# KiCad board poly_kb_molecule_8x5.kicad_pcb (continued)
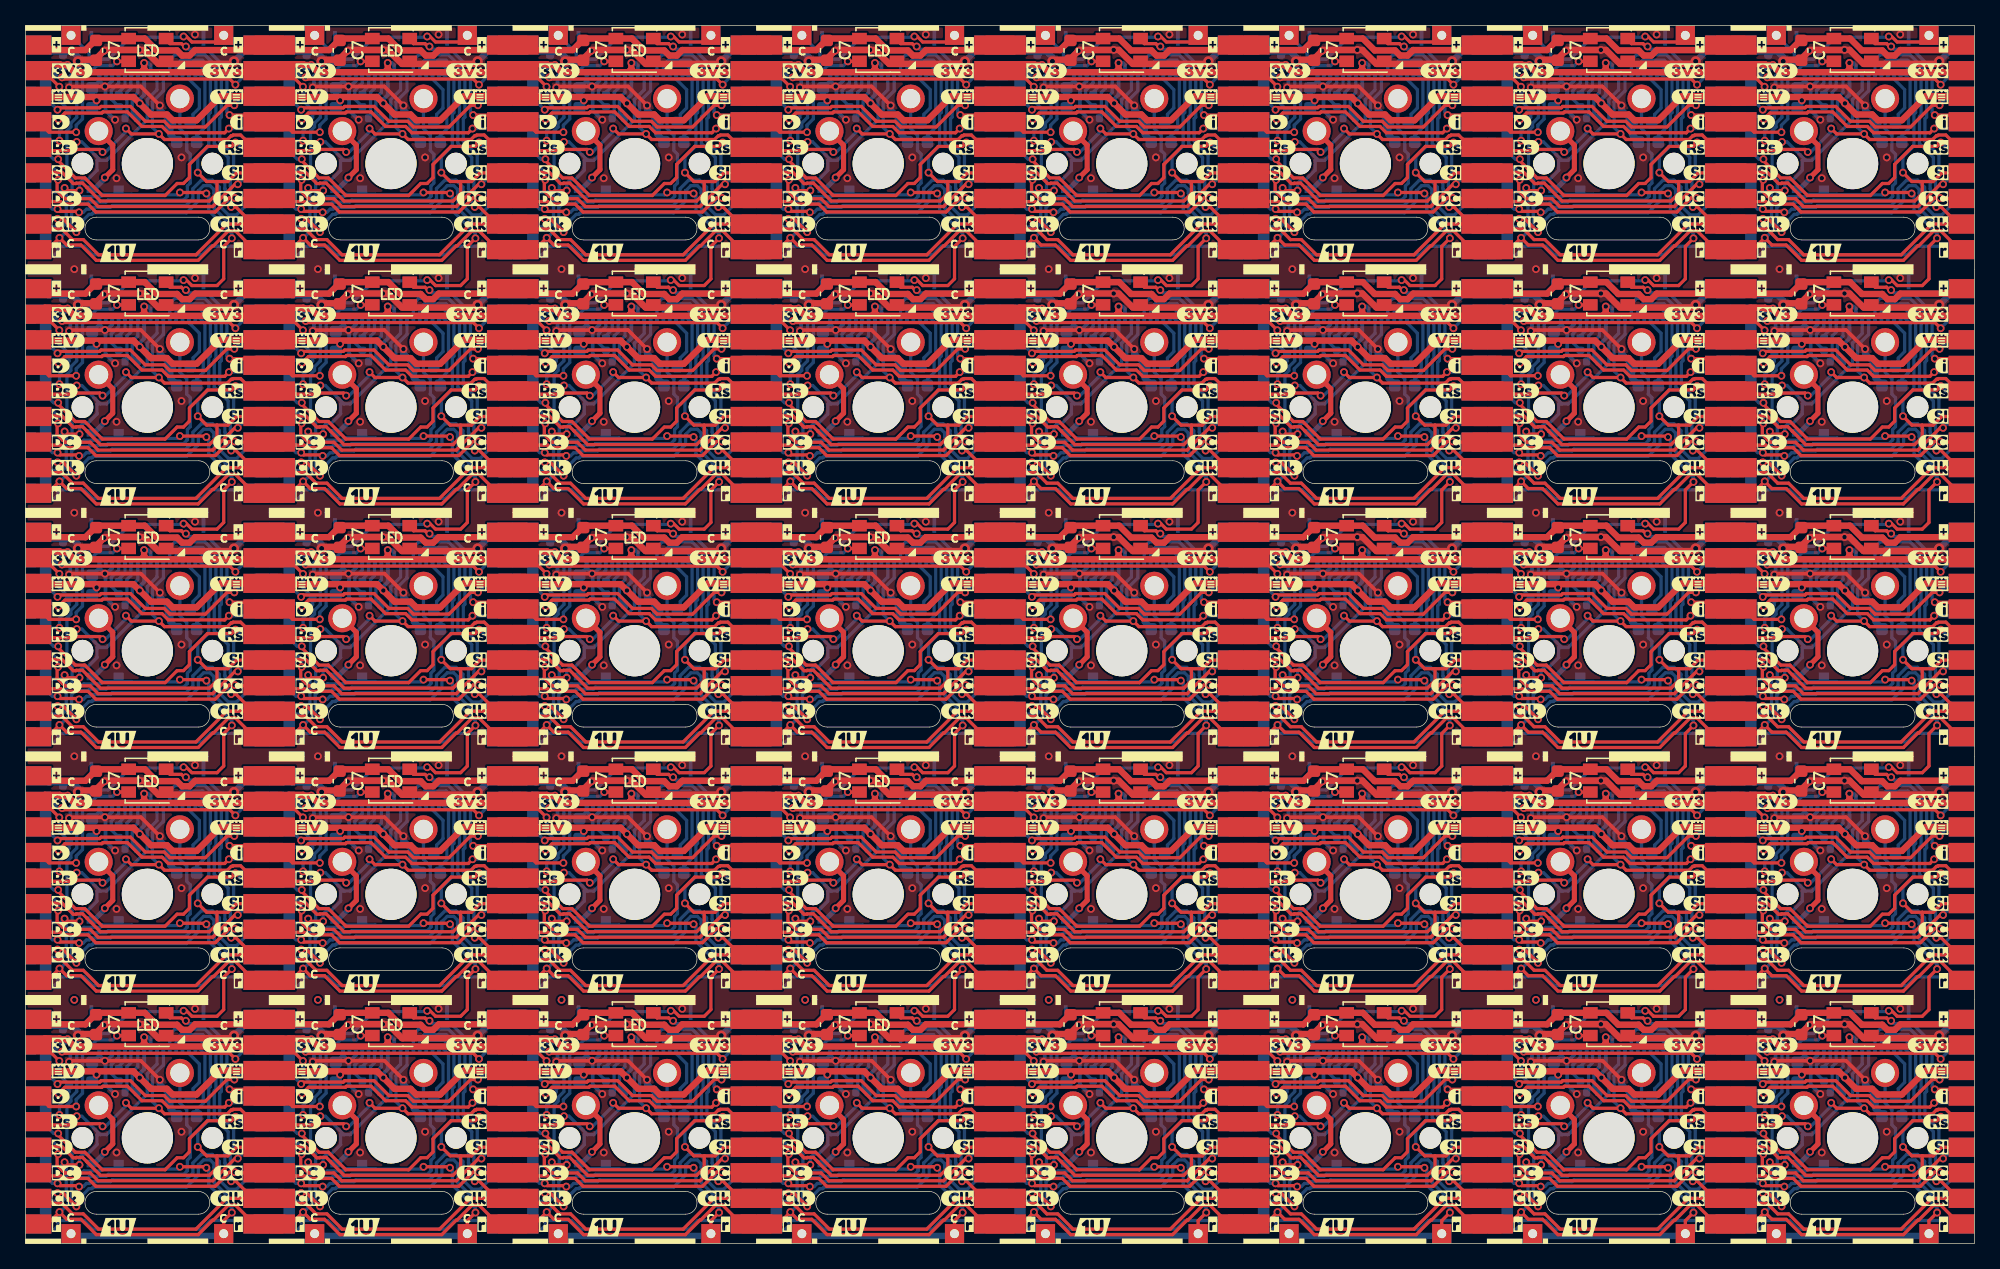
[diagram p0: board, top side]
## Nets (continued)
/Keyboard/sheet605ED2EB/CS: J1.10 J1#2.10 J1#3.10 J1#4.10 J1#5.10 J1#6.10 J1#7.10 J1#8.10 J1#9.10 J1#10.10 J1#11.10 J1#12.10 J1#13.10 J1#14.10 J1#15.10 J1#16.10 J1#17.10 J1#18.10 J1#19.10 J1#20.10 J1#21.10 J1#22.10 J1#23.10 J1#24.10 J1#25.10 J1#26.10 J1#27.10 J1#28.10 J1#29.10 J1#30.10 J1#31.10 J1#32.10 J1#33.10 J1#34.10 J1#35.10 J1#36.10 J1#37.10 J1#38.10 J1#39.10 J1#40.10 J5.10 J5#2.10 J5#3.10 J5#4.10 J5#5.10 J5#6.10 J5#7.10 J5#8.10 J5#9.10 J5#10.10 J5#11.10 J5#12.10 J5#13.10 J5#14.10 J5#15.10 J5#16.10 J5#17.10 J5#18.10 J5#19.10 J5#20.10 J5#21.10 J5#22.10 J5#23.10 J5#24.10 J5#25.10 J5#26.10 J5#27.10 J5#28.10 J5#29.10 J5#30.10 J5#31.10 J5#32.10 J5#33.10 J5#34.10 J5#35.10 J5#36.10 J5#37.10 J5#38.10 J5#39.10 J5#40.10 R1.2 R1#2.2 R1#3.2 R1#4.2 R1#5.2 R1#6.2 R1#7.2 R1#8.2 R1#9.2 R1#10.2 R1#11.2 R1#12.2 R1#13.2 R1#14.2 R1#15.2 R1#16.2 R1#17.2 R1#18.2 R1#19.2 R1#20.2 R1#21.2 R1#22.2 R1#23.2 R1#24.2 R1#25.2 R1#26.2 R1#27.2 R1#28.2 R1#29.2 R1#30.2 R1#31.2 R1#32.2 R1#33.2 R1#34.2 R1#35.2 R1#36.2 R1#37.2 R1#38.2 R1#39.2 R1#40.2
/Keyboard/sheet605ED2EB/D-C: J1.12 J1#2.12 J1#3.12 J1#4.12 J1#5.12 J1#6.12 J1#7.12 J1#8.12 J1#9.12 J1#10.12 J1#11.12 J1#12.12 J1#13.12 J1#14.12 J1#15.12 J1#16.12 J1#17.12 J1#18.12 J1#19.12 J1#20.12 J1#21.12 J1#22.12 J1#23.12 J1#24.12 J1#25.12 J1#26.12 J1#27.12 J1#28.12 J1#29.12 J1#30.12 J1#31.12 J1#32.12 J1#33.12 J1#34.12 J1#35.12 J1#36.12 J1#37.12 J1#38.12 J1#39.12 J1#40.12 J3.7 J3#2.7 J3#3.7 J3#4.7 J3#5.7 J3#6.7 J3#7.7 J3#8.7 J3#9.7 J3#10.7 J3#11.7 J3#12.7 J3#13.7 J3#14.7 J3#15.7 J3#16.7 J3#17.7 J3#18.7 J3#19.7 J3#20.7 J3#21.7 J3#22.7 J3#23.7 J3#24.7 J3#25.7 J3#26.7 J3#27.7 J3#28.7 J3#29.7 J3#30.7 J3#31.7 J3#32.7 J3#33.7 J3#34.7 J3#35.7 J3#36.7 J3#37.7 J3#38.7 J3#39.7 J3#40.7 J4.7 J4#2.7 J4#3.7 J4#4.7 J4#5.7 J4#6.7 J4#7.7 J4#8.7 J4#9.7 J4#10.7 J4#11.7 J4#12.7 J4#13.7 J4#14.7 J4#15.7 J4#16.7 J4#17.7 J4#18.7 J4#19.7 J4#20.7 J4#21.7 J4#22.7 J4#23.7 J4#24.7 J4#25.7 J4#26.7 J4#27.7 J4#28.7 J4#29.7 J4#30.7 J4#31.7 J4#32.7 J4#33.7 J4#34.7 J4#35.7 J4#36.7 J4#37.7 J4#38.7 J4#39.7 J4#40.7
/Keyboard/sheet605ED2EB/KeyCol: D1.1 D1#2.1 D1#3.1 D1#4.1 D1#5.1 D1#6.1 D1#7.1 D1#8.1 D1#9.1 D1#10.1 D1#11.1 D1#12.1 D1#13.1 D1#14.1 D1#15.1 D1#16.1 D1#17.1 D1#18.1 D1#19.1 D1#20.1 D1#21.1 D1#22.1 D1#23.1 D1#24.1 D1#25.1 D1#26.1 D1#27.1 D1#28.1 D1#29.1 D1#30.1 D1#31.1 D1#32.1 D1#33.1 D1#34.1 D1#35.1 D1#36.1 D1#37.1 D1#38.1 D1#39.1 D1#40.1 J2.1 J2#2.1 J2#3.1 J2#4.1 J2#5.1 J2#6.1 J2#7.1 J2#8.1 J7.1 J7#2.1 J7#3.1 J7#4.1 J7#5.1 J7#6.1 J7#7.1 J7#8.1 J8.1 J8#2.1 J8#3.1 J8#4.1 J8#5.1 J8#6.1 J8#7.1 J8#8.1 J9.1 J9#2.1 J9#3.1 J9#4.1 J9#5.1 J9#6.1 J9#7.1 J9#8.1
/Keyboard/sheet605ED2EB/KeyRow: J3.9 J3#2.9 J3#3.9 J3#4.9 J3#5.9 J3#6.9 J3#7.9 J3#8.9 J3#9.9 J3#10.9 J3#11.9 J3#12.9 J3#13.9 J3#14.9 J3#15.9 J3#16.9 J3#17.9 J3#18.9 J3#19.9 J3#20.9 J3#21.9 J3#22.9 J3#23.9 J3#24.9 J3#25.9 J3#26.9 J3#27.9 J3#28.9 J3#29.9 J3#30.9 J3#31.9 J3#32.9 J3#33.9 J3#34.9 J3#35.9 J3#36.9 J3#37.9 J3#38.9 J3#39.9 J3#40.9 J4.9 J4#2.9 J4#3.9 J4#4.9 J4#5.9 J4#6.9 J4#7.9 J4#8.9 J4#9.9 J4#10.9 J4#11.9 J4#12.9 J4#13.9 J4#14.9 J4#15.9 J4#16.9 J4#17.9 J4#18.9 J4#19.9 J4#20.9 J4#21.9 J4#22.9 J4#23.9 J4#24.9 J4#25.9 J4#26.9 J4#27.9 J4#28.9 J4#29.9 J4#30.9 J4#31.9 J4#32.9 J4#33.9 J4#34.9 J4#35.9 J4#36.9 J4#37.9 J4#38.9 J4#39.9 J4#40.9 SW1.1 SW1#2.1 SW1#3.1 SW1#4.1 SW1#5.1 SW1#6.1 SW1#7.1 SW1#8.1 SW1#9.1 SW1#10.1 SW1#11.1 SW1#12.1 SW1#13.1 SW1#14.1 SW1#15.1 SW1#16.1 SW1#17.1 SW1#18.1 SW1#19.1 SW1#20.1 SW1#21.1 SW1#22.1 SW1#23.1 SW1#24.1 SW1#25.1 SW1#26.1 SW1#27.1 SW1#28.1 SW1#29.1 SW1#30.1 SW1#31.1 SW1#32.1 SW1#33.1 SW1#34.1 SW1#35.1 SW1#36.1 SW1#37.1 SW1#38.1 SW1#39.1 SW1#40.1
/Keyboard/sheet605ED2EB/LED_DIN: J3.4 J3#2.4 J3#3.4 J3#4.4 J3#5.4 J3#6.4 J3#7.4 J3#8.4 J3#9.4 J3#10.4 J3#11.4 J3#12.4 J3#13.4 J3#14.4 J3#15.4 J3#16.4 J3#17.4 J3#18.4 J3#19.4 J3#20.4 J3#21.4 J3#22.4 J3#23.4 J3#24.4 J3#25.4 J3#26.4 J3#27.4 J3#28.4 J3#29.4 J3#30.4 J3#31.4 J3#32.4 J3#33.4 J3#34.4 J3#35.4 J3#36.4 J3#37.4 J3#38.4 J3#39.4 J3#40.4 J4.4 J4#2.4 J4#3.4 J4#4.4 J4#5.4 J4#6.4 J4#7.4 J4#8.4 J4#9.4 J4#10.4 J4#11.4 J4#12.4 J4#13.4 J4#14.4 J4#15.4 J4#16.4 J4#17.4 J4#18.4 J4#19.4 J4#20.4 J4#21.4 J4#22.4 J4#23.4 J4#24.4 J4#25.4 J4#26.4 J4#27.4 J4#28.4 J4#29.4 J4#30.4 J4#31.4 J4#32.4 J4#33.4 J4#34.4 J4#35.4 J4#36.4 J4#37.4 J4#38.4 J4#39.4 J4#40.4 LED1.2 LED1.4 LED1#2.2 LED1#2.4 LED1#3.2 LED1#3.4 LED1#4.2 LED1#4.4 LED1#5.2 LED1#5.4 LED1#6.2 LED1#6.4 LED1#7.2 LED1#7.4 LED1#8.2 LED1#8.4 LED1#9.2 LED1#9.4 LED1#10.2 LED1#10.4 LED1#11.2 LED1#11.4 LED1#12.2 LED1#12.4 LED1#13.2 LED1#13.4 LED1#14.2 LED1#14.4 LED1#15.2 LED1#15.4 LED1#16.2 LED1#16.4 LED1#17.2 LED1#17.4 LED1#18.2 LED1#18.4 LED1#19.2 LED1#19.4 LED1#20.2 LED1#20.4 LED1#21.2 LED1#21.4 LED1#22.2 LED1#22.4 LED1#23.2 LED1#23.4 LED1#24.2 LED1#24.4 LED1#25.2 LED1#25.4 LED1#26.2 LED1#26.4 LED1#27.2 LED1#27.4 LED1#28.2 LED1#28.4 LED1#29.2 LED1#29.4 LED1#30.2 LED1#30.4 LED1#31.2 LED1#31.4 LED1#32.2 LED1#32.4 LED1#33.2 LED1#33.4 LED1#34.2 LED1#34.4 LED1#35.2 LED1#35.4 LED1#36.2 LED1#36.4 LED1#37.2 LED1#37.4 LED1#38.2 LED1#38.4 LED1#39.2 LED1#39.4 LED1#40.2 LED1#40.4
/Keyboard/sheet605ED2EB/RESET: J1.11 J1#2.11 J1#3.11 J1#4.11 J1#5.11 J1#6.11 J1#7.11 J1#8.11 J1#9.11 J1#10.11 J1#11.11 J1#12.11 J1#13.11 J1#14.11 J1#15.11 J1#16.11 J1#17.11 J1#18.11 J1#19.11 J1#20.11 J1#21.11 J1#22.11 J1#23.11 J1#24.11 J1#25.11 J1#26.11 J1#27.11 J1#28.11 J1#29.11 J1#30.11 J1#31.11 J1#32.11 J1#33.11 J1#34.11 J1#35.11 J1#36.11 J1#37.11 J1#38.11 J1#39.11 J1#40.11 J3.5 J3#2.5 J3#3.5 J3#4.5 J3#5.5 J3#6.5 J3#7.5 J3#8.5 J3#9.5 J3#10.5 J3#11.5 J3#12.5 J3#13.5 J3#14.5 J3#15.5 J3#16.5 J3#17.5 J3#18.5 J3#19.5 J3#20.5 J3#21.5 J3#22.5 J3#23.5 J3#24.5 J3#25.5 J3#26.5 J3#27.5 J3#28.5 J3#29.5 J3#30.5 J3#31.5 J3#32.5 J3#33.5 J3#34.5 J3#35.5 J3#36.5 J3#37.5 J3#38.5 J3#39.5 J3#40.5 J4.5 J4#2.5 J4#3.5 J4#4.5 J4#5.5 J4#6.5 J4#7.5 J4#8.5 J4#9.5 J4#10.5 J4#11.5 J4#12.5 J4#13.5 J4#14.5 J4#15.5 J4#16.5 J4#17.5 J4#18.5 J4#19.5 J4#20.5 J4#21.5 J4#22.5 J4#23.5 J4#24.5 J4#25.5 J4#26.5 J4#27.5 J4#28.5 J4#29.5 J4#30.5 J4#31.5 J4#32.5 J4#33.5 J4#34.5 J4#35.5 J4#36.5 J4#37.5 J4#38.5 J4#39.5 J4#40.5
/Keyboard/sheet605ED2EB/SCLK: J1.13 J1#2.13 J1#3.13 J1#4.13 J1#5.13 J1#6.13 J1#7.13 J1#8.13 J1#9.13 J1#10.13 J1#11.13 J1#12.13 J1#13.13 J1#14.13 J1#15.13 J1#16.13 J1#17.13 J1#18.13 J1#19.13 J1#20.13 J1#21.13 J1#22.13 J1#23.13 J1#24.13 J1#25.13 J1#26.13 J1#27.13 J1#28.13 J1#29.13 J1#30.13 J1#31.13 J1#32.13 J1#33.13 J1#34.13 J1#35.13 J1#36.13 J1#37.13 J1#38.13 J1#39.13 J1#40.13 J3.8 J3#2.8 J3#3.8 J3#4.8 J3#5.8 J3#6.8 J3#7.8 J3#8.8 J3#9.8 J3#10.8 J3#11.8 J3#12.8 J3#13.8 J3#14.8 J3#15.8 J3#16.8 J3#17.8 J3#18.8 J3#19.8 J3#20.8 J3#21.8 J3#22.8 J3#23.8 J3#24.8 J3#25.8 J3#26.8 J3#27.8 J3#28.8 J3#29.8 J3#30.8 J3#31.8 J3#32.8 J3#33.8 J3#34.8 J3#35.8 J3#36.8 J3#37.8 J3#38.8 J3#39.8 J3#40.8 J4.8 J4#2.8 J4#3.8 J4#4.8 J4#5.8 J4#6.8 J4#7.8 J4#8.8 J4#9.8 J4#10.8 J4#11.8 J4#12.8 J4#13.8 J4#14.8 J4#15.8 J4#16.8 J4#17.8 J4#18.8 J4#19.8 J4#20.8 J4#21.8 J4#22.8 J4#23.8 J4#24.8 J4#25.8 J4#26.8 J4#27.8 J4#28.8 J4#29.8 J4#30.8 J4#31.8 J4#32.8 J4#33.8 J4#34.8 J4#35.8 J4#36.8 J4#37.8 J4#38.8 J4#39.8 J4#40.8
/Keyboard/sheet605ED2EB/SDIN: J1.14 J1#2.14 J1#3.14 J1#4.14 J1#5.14 J1#6.14 J1#7.14 J1#8.14 J1#9.14 J1#10.14 J1#11.14 J1#12.14 J1#13.14 J1#14.14 J1#15.14 J1#16.14 J1#17.14 J1#18.14 J1#19.14 J1#20.14 J1#21.14 J1#22.14 J1#23.14 J1#24.14 J1#25.14 J1#26.14 J1#27.14 J1#28.14 J1#29.14 J1#30.14 J1#31.14 J1#32.14 J1#33.14 J1#34.14 J1#35.14 J1#36.14 J1#37.14 J1#38.14 J1#39.14 J1#40.14 J3.6 J3#2.6 J3#3.6 J3#4.6 J3#5.6 J3#6.6 J3#7.6 J3#8.6 J3#9.6 J3#10.6 J3#11.6 J3#12.6 J3#13.6 J3#14.6 J3#15.6 J3#16.6 J3#17.6 J3#18.6 J3#19.6 J3#20.6 J3#21.6 J3#22.6 J3#23.6 J3#24.6 J3#25.6 J3#26.6 J3#27.6 J3#28.6 J3#29.6 J3#30.6 J3#31.6 J3#32.6 J3#33.6 J3#34.6 J3#35.6 J3#36.6 J3#37.6 J3#38.6 J3#39.6 J3#40.6 J4.6 J4#2.6 J4#3.6 J4#4.6 J4#5.6 J4#6.6 J4#7.6 J4#8.6 J4#9.6 J4#10.6 J4#11.6 J4#12.6 J4#13.6 J4#14.6 J4#15.6 J4#16.6 J4#17.6 J4#18.6 J4#19.6 J4#20.6 J4#21.6 J4#22.6 J4#23.6 J4#24.6 J4#25.6 J4#26.6 J4#27.6 J4#28.6 J4#29.6 J4#30.6 J4#31.6 J4#32.6 J4#33.6 J4#34.6 J4#35.6 J4#36.6 J4#37.6 J4#38.6 J4#39.6 J4#40.6
CS1: J5.2 J5#2.2 J5#3.2 J5#4.2 J5#5.2 J5#6.2 J5#7.2 J5#8.2 J5#9.2 J5#10.2 J5#11.2 J5#12.2 J5#13.2 J5#14.2 J5#15.2 J5#16.2 J5#17.2 J5#18.2 J5#19.2 J5#20.2 J5#21.2 J5#22.2 J5#23.2 J5#24.2 J5#25.2 J5#26.2 J5#27.2 J5#28.2 J5#29.2 J5#30.2 J5#31.2 J5#32.2 J5#33.2 J5#34.2 J5#35.2 J5#36.2 J5#37.2 J5#38.2 J5#39.2 J5#40.2 J6.2 J6#2.2 J6#3.2 J6#4.2 J6#5.2 J6#6.2 J6#7.2 J6#8.2 J6#9.2 J6#10.2 J6#11.2 J6#12.2 J6#13.2 J6#14.2 J6#15.2 J6#16.2 J6#17.2 J6#18.2 J6#19.2 J6#20.2 J6#21.2 J6#22.2 J6#23.2 J6#24.2 J6#25.2 J6#26.2 J6#27.2 J6#28.2 J6#29.2 J6#30.2 J6#31.2 J6#32.2 J6#33.2 J6#34.2 J6#35.2 J6#36.2 J6#37.2 J6#38.2 J6#39.2 J6#40.2
CS2: J5.3 J5#2.3 J5#3.3 J5#4.3 J5#5.3 J5#6.3 J5#7.3 J5#8.3 J5#9.3 J5#10.3 J5#11.3 J5#12.3 J5#13.3 J5#14.3 J5#15.3 J5#16.3 J5#17.3 J5#18.3 J5#19.3 J5#20.3 J5#21.3 J5#22.3 J5#23.3 J5#24.3 J5#25.3 J5#26.3 J5#27.3 J5#28.3 J5#29.3 J5#30.3 J5#31.3 J5#32.3 J5#33.3 J5#34.3 J5#35.3 J5#36.3 J5#37.3 J5#38.3 J5#39.3 J5#40.3 J6.3 J6#2.3 J6#3.3 J6#4.3 J6#5.3 J6#6.3 J6#7.3 J6#8.3 J6#9.3 J6#10.3 J6#11.3 J6#12.3 J6#13.3 J6#14.3 J6#15.3 J6#16.3 J6#17.3 J6#18.3 J6#19.3 J6#20.3 J6#21.3 J6#22.3 J6#23.3 J6#24.3 J6#25.3 J6#26.3 J6#27.3 J6#28.3 J6#29.3 J6#30.3 J6#31.3 J6#32.3 J6#33.3 J6#34.3 J6#35.3 J6#36.3 J6#37.3 J6#38.3 J6#39.3 J6#40.3
CS3: J5.4 J5#2.4 J5#3.4 J5#4.4 J5#5.4 J5#6.4 J5#7.4 J5#8.4 J5#9.4 J5#10.4 J5#11.4 J5#12.4 J5#13.4 J5#14.4 J5#15.4 J5#16.4 J5#17.4 J5#18.4 J5#19.4 J5#20.4 J5#21.4 J5#22.4 J5#23.4 J5#24.4 J5#25.4 J5#26.4 J5#27.4 J5#28.4 J5#29.4 J5#30.4 J5#31.4 J5#32.4 J5#33.4 J5#34.4 J5#35.4 J5#36.4 J5#37.4 J5#38.4 J5#39.4 J5#40.4 J6.4 J6#2.4 J6#3.4 J6#4.4 J6#5.4 J6#6.4 J6#7.4 J6#8.4 J6#9.4 J6#10.4 J6#11.4 J6#12.4 J6#13.4 J6#14.4 J6#15.4 J6#16.4 J6#17.4 J6#18.4 J6#19.4 J6#20.4 J6#21.4 J6#22.4 J6#23.4 J6#24.4 J6#25.4 J6#26.4 J6#27.4 J6#28.4 J6#29.4 J6#30.4 J6#31.4 J6#32.4 J6#33.4 J6#34.4 J6#35.4 J6#36.4 J6#37.4 J6#38.4 J6#39.4 J6#40.4
CS4: J5.5 J5#2.5 J5#3.5 J5#4.5 J5#5.5 J5#6.5 J5#7.5 J5#8.5 J5#9.5 J5#10.5 J5#11.5 J5#12.5 J5#13.5 J5#14.5 J5#15.5 J5#16.5 J5#17.5 J5#18.5 J5#19.5 J5#20.5 J5#21.5 J5#22.5 J5#23.5 J5#24.5 J5#25.5 J5#26.5 J5#27.5 J5#28.5 J5#29.5 J5#30.5 J5#31.5 J5#32.5 J5#33.5 J5#34.5 J5#35.5 J5#36.5 J5#37.5 J5#38.5 J5#39.5 J5#40.5 J6.5 J6#2.5 J6#3.5 J6#4.5 J6#5.5 J6#6.5 J6#7.5 J6#8.5 J6#9.5 J6#10.5 J6#11.5 J6#12.5 J6#13.5 J6#14.5 J6#15.5 J6#16.5 J6#17.5 J6#18.5 J6#19.5 J6#20.5 J6#21.5 J6#22.5 J6#23.5 J6#24.5 J6#25.5 J6#26.5 J6#27.5 J6#28.5 J6#29.5 J6#30.5 J6#31.5 J6#32.5 J6#33.5 J6#34.5 J6#35.5 J6#36.5 J6#37.5 J6#38.5 J6#39.5 J6#40.5
CS5: J5.6 J5#2.6 J5#3.6 J5#4.6 J5#5.6 J5#6.6 J5#7.6 J5#8.6 J5#9.6 J5#10.6 J5#11.6 J5#12.6 J5#13.6 J5#14.6 J5#15.6 J5#16.6 J5#17.6 J5#18.6 J5#19.6 J5#20.6 J5#21.6 J5#22.6 J5#23.6 J5#24.6 J5#25.6 J5#26.6 J5#27.6 J5#28.6 J5#29.6 J5#30.6 J5#31.6 J5#32.6 J5#33.6 J5#34.6 J5#35.6 J5#36.6 J5#37.6 J5#38.6 J5#39.6 J5#40.6 J6.6 J6#2.6 J6#3.6 J6#4.6 J6#5.6 J6#6.6 J6#7.6 J6#8.6 J6#9.6 J6#10.6 J6#11.6 J6#12.6 J6#13.6 J6#14.6 J6#15.6 J6#16.6 J6#17.6 J6#18.6 J6#19.6 J6#20.6 J6#21.6 J6#22.6 J6#23.6 J6#24.6 J6#25.6 J6#26.6 J6#27.6 J6#28.6 J6#29.6 J6#30.6 J6#31.6 J6#32.6 J6#33.6 J6#34.6 J6#35.6 J6#36.6 J6#37.6 J6#38.6 J6#39.6 J6#40.6
CS6: J5.7 J5#2.7 J5#3.7 J5#4.7 J5#5.7 J5#6.7 J5#7.7 J5#8.7 J5#9.7 J5#10.7 J5#11.7 J5#12.7 J5#13.7 J5#14.7 J5#15.7 J5#16.7 J5#17.7 J5#18.7 J5#19.7 J5#20.7 J5#21.7 J5#22.7 J5#23.7 J5#24.7 J5#25.7 J5#26.7 J5#27.7 J5#28.7 J5#29.7 J5#30.7 J5#31.7 J5#32.7 J5#33.7 J5#34.7 J5#35.7 J5#36.7 J5#37.7 J5#38.7 J5#39.7 J5#40.7 J6.7 J6#2.7 J6#3.7 J6#4.7 J6#5.7 J6#6.7 J6#7.7 J6#8.7 J6#9.7 J6#10.7 J6#11.7 J6#12.7 J6#13.7 J6#14.7 J6#15.7 J6#16.7 J6#17.7 J6#18.7 J6#19.7 J6#20.7 J6#21.7 J6#22.7 J6#23.7 J6#24.7 J6#25.7 J6#26.7 J6#27.7 J6#28.7 J6#29.7 J6#30.7 J6#31.7 J6#32.7 J6#33.7 J6#34.7 J6#35.7 J6#36.7 J6#37.7 J6#38.7 J6#39.7 J6#40.7
CS7: J5.8 J5#2.8 J5#3.8 J5#4.8 J5#5.8 J5#6.8 J5#7.8 J5#8.8 J5#9.8 J5#10.8 J5#11.8 J5#12.8 J5#13.8 J5#14.8 J5#15.8 J5#16.8 J5#17.8 J5#18.8 J5#19.8 J5#20.8 J5#21.8 J5#22.8 J5#23.8 J5#24.8 J5#25.8 J5#26.8 J5#27.8 J5#28.8 J5#29.8 J5#30.8 J5#31.8 J5#32.8 J5#33.8 J5#34.8 J5#35.8 J5#36.8 J5#37.8 J5#38.8 J5#39.8 J5#40.8 J6.8 J6#2.8 J6#3.8 J6#4.8 J6#5.8 J6#6.8 J6#7.8 J6#8.8 J6#9.8 J6#10.8 J6#11.8 J6#12.8 J6#13.8 J6#14.8 J6#15.8 J6#16.8 J6#17.8 J6#18.8 J6#19.8 J6#20.8 J6#21.8 J6#22.8 J6#23.8 J6#24.8 J6#25.8 J6#26.8 J6#27.8 J6#28.8 J6#29.8 J6#30.8 J6#31.8 J6#32.8 J6#33.8 J6#34.8 J6#35.8 J6#36.8 J6#37.8 J6#38.8 J6#39.8 J6#40.8
CS8: J5.9 J5#2.9 J5#3.9 J5#4.9 J5#5.9 J5#6.9 J5#7.9 J5#8.9 J5#9.9 J5#10.9 J5#11.9 J5#12.9 J5#13.9 J5#14.9 J5#15.9 J5#16.9 J5#17.9 J5#18.9 J5#19.9 J5#20.9 J5#21.9 J5#22.9 J5#23.9 J5#24.9 J5#25.9 J5#26.9 J5#27.9 J5#28.9 J5#29.9 J5#30.9 J5#31.9 J5#32.9 J5#33.9 J5#34.9 J5#35.9 J5#36.9 J5#37.9 J5#38.9 J5#39.9 J5#40.9 J6.9 J6#2.9 J6#3.9 J6#4.9 J6#5.9 J6#6.9 J6#7.9 J6#8.9 J6#9.9 J6#10.9 J6#11.9 J6#12.9 J6#13.9 J6#14.9 J6#15.9 J6#16.9 J6#17.9 J6#18.9 J6#19.9 J6#20.9 J6#21.9 J6#22.9 J6#23.9 J6#24.9 J6#25.9 J6#26.9 J6#27.9 J6#28.9 J6#29.9 J6#30.9 J6#31.9 J6#32.9 J6#33.9 J6#34.9 J6#35.9 J6#36.9 J6#37.9 J6#38.9 J6#39.9 J6#40.9
Net-(C1-Pad1): C1.1 C1#2.1 C1#3.1 C1#4.1 C1#5.1 C1#6.1 C1#7.1 C1#8.1 C1#9.1 C1#10.1 C1#11.1 C1#12.1 C1#13.1 C1#14.1 C1#15.1 C1#16.1 C1#17.1 C1#18.1 C1#19.1 C1#20.1 C1#21.1 C1#22.1 C1#23.1 C1#24.1 C1#25.1 C1#26.1 C1#27.1 C1#28.1 C1#29.1 C1#30.1 C1#31.1 C1#32.1 C1#33.1 C1#34.1 C1#35.1 C1#36.1 C1#37.1 C1#38.1 C1#39.1 C1#40.1 J1.16 J1#2.16 J1#3.16 J1#4.16 J1#5.16 J1#6.16 J1#7.16 J1#8.16 J1#9.16 J1#10.16 J1#11.16 J1#12.16 J1#13.16 J1#14.16 J1#15.16 J1#16.16 J1#17.16 J1#18.16 J1#19.16 J1#20.16 J1#21.16 J1#22.16 J1#23.16 J1#24.16 J1#25.16 J1#26.16 J1#27.16 J1#28.16 J1#29.16 J1#30.16 J1#31.16 J1#32.16 J1#33.16 J1#34.16 J1#35.16 J1#36.16 J1#37.16 J1#38.16 J1#39.16 J1#40.16
Net-(C4-Pad1): C4.1 C4#2.1 C4#3.1 C4#4.1 C4#5.1 C4#6.1 C4#7.1 C4#8.1 C4#9.1 C4#10.1 C4#11.1 C4#12.1 C4#13.1 C4#14.1 C4#15.1 C4#16.1 C4#17.1 C4#18.1 C4#19.1 C4#20.1 C4#21.1 C4#22.1 C4#23.1 C4#24.1 C4#25.1 C4#26.1 C4#27.1 C4#28.1 C4#29.1 C4#30.1 C4#31.1 C4#32.1 C4#33.1 C4#34.1 C4#35.1 C4#36.1 C4#37.1 C4#38.1 C4#39.1 C4#40.1 J1.15 J1#2.15 J1#3.15 J1#4.15 J1#5.15 J1#6.15 J1#7.15 J1#8.15 J1#9.15 J1#10.15 J1#11.15 J1#12.15 J1#13.15 J1#14.15 J1#15.15 J1#16.15 J1#17.15 J1#18.15 J1#19.15 J1#20.15 J1#21.15 J1#22.15 J1#23.15 J1#24.15 J1#25.15 J1#26.15 J1#27.15 J1#28.15 J1#29.15 J1#30.15 J1#31.15 J1#32.15 J1#33.15 J1#34.15 J1#35.15 J1#36.15 J1#37.15 J1#38.15 J1#39.15 J1#40.15
Net-(C5-Pad1): C5.1 C5#2.1 C5#3.1 C5#4.1 C5#5.1 C5#6.1 C5#7.1 C5#8.1 C5#9.1 C5#10.1 C5#11.1 C5#12.1 C5#13.1 C5#14.1 C5#15.1 C5#16.1 C5#17.1 C5#18.1 C5#19.1 C5#20.1 C5#21.1 C5#22.1 C5#23.1 C5#24.1 C5#25.1 C5#26.1 C5#27.1 C5#28.1 C5#29.1 C5#30.1 C5#31.1 C5#32.1 C5#33.1 C5#34.1 C5#35.1 C5#36.1 C5#37.1 C5#38.1 C5#39.1 C5#40.1 J1.4 J1#2.4 J1#3.4 J1#4.4 J1#5.4 J1#6.4 J1#7.4 J1#8.4 J1#9.4 J1#10.4 J1#11.4 J1#12.4 J1#13.4 J1#14.4 J1#15.4 J1#16.4 J1#17.4 J1#18.4 J1#19.4 J1#20.4 J1#21.4 J1#22.4 J1#23.4 J1#24.4 J1#25.4 J1#26.4 J1#27.4 J1#28.4 J1#29.4 J1#30.4 J1#31.4 J1#32.4 J1#33.4 J1#34.4 J1#35.4 J1#36.4 J1#37.4 J1#38.4 J1#39.4 J1#40.4
Net-(C5-Pad2): C5.2 C5#2.2 C5#3.2 C5#4.2 C5#5.2 C5#6.2 C5#7.2 C5#8.2 C5#9.2 C5#10.2 C5#11.2 C5#12.2 C5#13.2 C5#14.2 C5#15.2 C5#16.2 C5#17.2 C5#18.2 C5#19.2 C5#20.2 C5#21.2 C5#22.2 C5#23.2 C5#24.2 C5#25.2 C5#26.2 C5#27.2 C5#28.2 C5#29.2 C5#30.2 C5#31.2 C5#32.2 C5#33.2 C5#34.2 C5#35.2 C5#36.2 C5#37.2 C5#38.2 C5#39.2 C5#40.2 J1.5 J1#2.5 J1#3.5 J1#4.5 J1#5.5 J1#6.5 J1#7.5 J1#8.5 J1#9.5 J1#10.5 J1#11.5 J1#12.5 J1#13.5 J1#14.5 J1#15.5 J1#16.5 J1#17.5 J1#18.5 J1#19.5 J1#20.5 J1#21.5 J1#22.5 J1#23.5 J1#24.5 J1#25.5 J1#26.5 J1#27.5 J1#28.5 J1#29.5 J1#30.5 J1#31.5 J1#32.5 J1#33.5 J1#34.5 J1#35.5 J1#36.5 J1#37.5 J1#38.5 J1#39.5 J1#40.5
Net-(C6-Pad1): C6.1 C6#2.1 C6#3.1 C6#4.1 C6#5.1 C6#6.1 C6#7.1 C6#8.1 C6#9.1 C6#10.1 C6#11.1 C6#12.1 C6#13.1 C6#14.1 C6#15.1 C6#16.1 C6#17.1 C6#18.1 C6#19.1 C6#20.1 C6#21.1 C6#22.1 C6#23.1 C6#24.1 C6#25.1 C6#26.1 C6#27.1 C6#28.1 C6#29.1 C6#30.1 C6#31.1 C6#32.1 C6#33.1 C6#34.1 C6#35.1 C6#36.1 C6#37.1 C6#38.1 C6#39.1 C6#40.1 J1.6 J1#2.6 J1#3.6 J1#4.6 J1#5.6 J1#6.6 J1#7.6 J1#8.6 J1#9.6 J1#10.6 J1#11.6 J1#12.6 J1#13.6 J1#14.6 J1#15.6 J1#16.6 J1#17.6 J1#18.6 J1#19.6 J1#20.6 J1#21.6 J1#22.6 J1#23.6 J1#24.6 J1#25.6 J1#26.6 J1#27.6 J1#28.6 J1#29.6 J1#30.6 J1#31.6 J1#32.6 J1#33.6 J1#34.6 J1#35.6 J1#36.6 J1#37.6 J1#38.6 J1#39.6 J1#40.6
Net-(C6-Pad2): C6.2 C6#2.2 C6#3.2 C6#4.2 C6#5.2 C6#6.2 C6#7.2 C6#8.2 C6#9.2 C6#10.2 C6#11.2 C6#12.2 C6#13.2 C6#14.2 C6#15.2 C6#16.2 C6#17.2 C6#18.2 C6#19.2 C6#20.2 C6#21.2 C6#22.2 C6#23.2 C6#24.2 C6#25.2 C6#26.2 C6#27.2 C6#28.2 C6#29.2 C6#30.2 C6#31.2 C6#32.2 C6#33.2 C6#34.2 C6#35.2 C6#36.2 C6#37.2 C6#38.2 C6#39.2 C6#40.2 J1.7 J1#2.7 J1#3.7 J1#4.7 J1#5.7 J1#6.7 J1#7.7 J1#8.7 J1#9.7 J1#10.7 J1#11.7 J1#12.7 J1#13.7 J1#14.7 J1#15.7 J1#16.7 J1#17.7 J1#18.7 J1#19.7 J1#20.7 J1#21.7 J1#22.7 J1#23.7 J1#24.7 J1#25.7 J1#26.7 J1#27.7 J1#28.7 J1#29.7 J1#30.7 J1#31.7 J1#32.7 J1#33.7 J1#34.7 J1#35.7 J1#36.7 J1#37.7 J1#38.7 J1#39.7 J1#40.7
Net-(D1-Pad2): D1.2 D1#2.2 D1#3.2 D1#4.2 D1#5.2 D1#6.2 D1#7.2 D1#8.2 D1#9.2 D1#10.2 D1#11.2 D1#12.2 D1#13.2 D1#14.2 D1#15.2 D1#16.2 D1#17.2 D1#18.2 D1#19.2 D1#20.2 D1#21.2 D1#22.2 D1#23.2 D1#24.2 D1#25.2 D1#26.2 D1#27.2 D1#28.2 D1#29.2 D1#30.2 D1#31.2 D1#32.2 D1#33.2 D1#34.2 D1#35.2 D1#36.2 D1#37.2 D1#38.2 D1#39.2 D1#40.2 SW1.2 SW1#2.2 SW1#3.2 SW1#4.2 SW1#5.2 SW1#6.2 SW1#7.2 SW1#8.2 SW1#9.2 SW1#10.2 SW1#11.2 SW1#12.2 SW1#13.2 SW1#14.2 SW1#15.2 SW1#16.2 SW1#17.2 SW1#18.2 SW1#19.2 SW1#20.2 SW1#21.2 SW1#22.2 SW1#23.2 SW1#24.2 SW1#25.2 SW1#26.2 SW1#27.2 SW1#28.2 SW1#29.2 SW1#30.2 SW1#31.2 SW1#32.2 SW1#33.2 SW1#34.2 SW1#35.2 SW1#36.2 SW1#37.2 SW1#38.2 SW1#39.2 SW1#40.2

Pads without a net: J1 0 2; J1#2 0 2; J1#3 0 2; J1#4 0 2; J1#5 0 2; J1#6 0 2; J1#7 0 2; J1#8 0 2; J1#9 0 2; J1#10 0 2; J1#11 0 2; J1#12 0 2; J1#13 0 2; J1#14 0 2; J1#15 0 2; J1#16 0 2; J1#17 0 2; J1#18 0 2; J1#19 0 2; J1#20 0 2; J1#21 0 2; J1#22 0 2; J1#23 0 2; J1#24 0 2; J1#25 0 2; J1#26 0 2; J1#27 0 2; J1#28 0 2; J1#29 0 2; J1#30 0 2; J1#31 0 2; J1#32 0 2; J1#33 0 2; J1#34 0 2; J1#35 0 2; J1#36 0 2; J1#37 0 2; J1#38 0 2; J1#39 0 2; J1#40 0 2

## Via types
v1: diameter 0.61, hole 0.356, Top to Bottom, 1952 vias
v2: diameter 0.8, hole 0.4, Top to Bottom, 80 vias

## Routing (per net, layer and track width the routed paths; a pad name or vN(x,y) marks a point on that pad's centre or on a via; arc(x,y) is an arc through that point)
/Keyboard/sheet605ED2EB/3V3: length 1078.7
  Top w0.25: v1(97.89,71.42) 96.63,72.67 J3#37.2 ; J3#17.2 1.38,72.67 v1(2.64,71.42) ; v1(59.79,33.32) 58.53,34.58 J3#39.2 ; v1(135.99,14.27) 134.73,15.53 J3#33.2 ; v1(2.64,90.47) 1.38,91.72 J3.2 ; J3#25.2 20.43,15.53 v1(21.69,14.27) ; v1(21.69,33.32) 20.43,34.58 J3#14.2 ; J3#21.2 96.63,34.58 v1(97.89,33.32) ; v1(40.74,14.27) 39.48,15.53 J3#5.2 ; J3#38.2 39.48,91.72 v1(40.74,90.47) ; J3#35.2 134.73,53.62 v1(135.99,52.37) ; v1(40.74,52.37) 39.48,53.62 J3#11.2 ; J3#10.2 58.53,72.67 v1(59.79,71.42) ; J3#34.2 96.63,15.53 v1(97.89,14.27) ; J3#24.2 115.68,34.58 v1(116.94,33.32) ; v1(59.79,90.47) 58.53,91.72 J3#22.2 ; J3#32.2 115.68,91.72 v1(116.94,90.47) ; v1(40.74,33.32) 39.48,34.58 J3#30.2 ; J3#23.2 58.53,53.62 v1(59.79,52.37) ; J3#6.2 134.73,34.58 v1(135.99,33.32) ; J3#4.2 115.68,53.62 v1(116.94,52.37) ; J3#26.2 134.73,91.72 v1(135.99,90.47) ; v1(21.69,90.47) 20.43,91.72 J3#19.2 ; v1(78.84,90.47) 77.58,91.72 J3#18.2 ; v1(78.84,14.27) 77.58,15.53 J3#8.2 ; v1(97.89,52.37) 96.63,53.62 J3#28.2 ; J3#40.2 77.58,53.62 v1(78.84,52.37) ; J3#29.2 1.38,34.58 v1(2.64,33.32) ; J3#7.2 77.58,34.58 v1(78.84,33.32) ; v1(135.99,71.42) 134.73,72.67 J3#20.2 ; J3#15.2 1.38,15.53 v1(2.64,14.27) ; J3#36.2 96.63,91.72 v1(97.89,90.47) ; v1(21.69,71.42) 20.43,72.67 J3#16.2 ; J3#27.2 58.53,15.53 v1(59.79,14.27) ; J3#3.2 20.43,53.62 v1(21.69,52.37) ; J3#12.2 115.68,15.53 v1(116.94,14.27) ; J3#13.2 77.58,72.67 v1(78.84,71.42) ; J3#31.2 39.48,72.67 v1(40.74,71.42) ; v1(116.94,71.42) 115.68,72.67 J3#2.2 ; J3#9.2 1.38,53.62 v1(2.64,52.37)
  Top w0.3: 1.51,73.17 J3#17.2 ; 58.66,73.17 J3#10.2 ; 20.56,35.07 J3#14.2 ; 1.51,54.12 J3#9.2 ; 115.81,92.22 J3#32.2 ; 20.56,54.12 J3#3.2 ; 1.51,35.07 J3#29.2 ; 39.61,35.07 J3#30.2 ; 134.86,73.17 J3#20.2 ; 39.61,73.17 J3#31.2 ; 77.71,92.22 J3#18.2 ; 1.51,16.02 J3#15.2 ; 115.81,54.12 J3#4.2 ; 20.56,92.22 J3#19.2 ; 58.66,54.12 J3#23.2 ; 115.81,35.07 J3#24.2 ; 96.76,16.02 J3#34.2 ; 58.66,16.02 J3#27.2 ; 39.61,16.02 J3#5.2 ; 58.66,92.22 J3#22.2 ; 20.56,16.02 J3#25.2 ; 77.71,35.07 J3#7.2 ; 77.71,73.17 J3#13.2 ; 39.61,54.12 J3#11.2 ; 134.86,54.12 J3#35.2 ; 115.81,73.17 J3#2.2 ; 1.51,92.22 J3.2 ; 96.76,35.07 J3#21.2 ; 96.76,54.12 J3#28.2 ; 134.86,35.07 J3#6.2 ; 96.76,92.22 J3#36.2 ; 39.61,92.22 J3#38.2 ; 58.66,35.07 J3#39.2 ; 134.86,16.02 J3#33.2 ; 77.71,16.02 J3#8.2 ; 77.71,54.12 J3#40.2 ; 115.81,16.02 J3#12.2 ; 20.56,73.17 J3#16.2 ; 134.86,92.22 J3#26.2 ; 96.76,73.17 J3#37.2
  Top w0.5: J3#12.2 115.82,16.03 116.97,16.03 117.02,15.97 v1(117.59,15.97) 117.59,15.93 118.11,15.4 132.21,15.4 J4#6.2 ; J4#30.2 94.11,72.55 80.01,72.55 79.49,73.08 v1(79.49,73.12) 78.92,73.12 78.87,73.18 77.72,73.18 J3#13.2 ; 104.38,34.53 104.67,34.53 104.52,34.67 ; 104.38,34.53 104.33,34.48 ; 104.38,34.53 104.52,34.67 ; 1.27,72.67 1.47,72.87 ; v1(85.47,35.18) 85.47,34.67 ; 85.47,34.67 85.33,34.53 ; 85.47,34.67 85.62,34.53 85.33,34.53 ; 123.57,34.67 123.43,34.53 ; 123.57,34.67 v1(123.57,35.18) ; 123.57,34.67 123.72,34.53 123.43,34.53 ; 123.43,34.53 123.38,34.48 ; 47.23,53.58 47.52,53.58 47.37,53.72 ; 47.23,53.58 47.18,53.53 ; 47.23,53.58 47.37,53.72 ; 85.33,15.48 85.28,15.43 ; 85.33,15.48 85.62,15.48 85.47,15.62 ; 85.33,15.48 85.47,15.62 ; 9.13,15.48 9.42,15.48 9.27,15.62 ; 9.13,15.48 9.08,15.43 ; 9.13,15.48 9.27,15.62 ; 123.57,91.82 123.43,91.68 ; 123.57,91.82 123.72,91.68 123.43,91.68 ; 123.57,91.82 v1(123.57,92.33) ; 123.43,91.68 123.38,91.63 ; 123.43,53.58 123.38,53.53 ; 123.43,53.58 123.72,53.58 123.57,53.72 ; 123.43,53.58 123.57,53.72 ; 28.18,72.63 28.47,72.63 28.32,72.77 ; 28.18,72.63 28.32,72.77 ; 28.18,72.63 28.13,72.58 ; 96.52,53.62 96.72,53.82 ; 28.32,15.62 28.18,15.48 ; 28.32,15.62 v1(28.32,16.13) ; 28.32,15.62 28.47,15.48 28.18,15.48 ; 28.18,15.48 28.13,15.43 ; J3#34.2 96.77,16.03 97.92,16.03 97.97,15.97 v1(98.54,15.97) 98.54,15.93 99.06,15.4 113.16,15.4 J4#23.2 ; 104.52,91.82 104.38,91.68 ; 104.52,91.82 v1(104.52,92.33) ; 104.52,91.82 104.67,91.68 104.38,91.68 ; 104.38,91.68 104.33,91.63 ; v1(28.32,35.18) 28.32,34.67 ; 28.32,34.67 28.47,34.53 28.18,34.53 ; 28.32,34.67 28.18,34.53 ; J3#6.2 134.87,35.08 136.02,35.08 136.07,35.02 v1(136.64,35.02) 136.64,34.98 137.16,34.45 151.26,34.45 J4#20.2 ; 39.37,15.53 39.57,15.72 ; v1(123.57,16.13) 123.57,15.62 ; 123.57,15.62 123.72,15.48 123.43,15.48 ; 123.57,15.62 123.43,15.48 ; 28.32,91.82 28.47,91.68 28.18,91.68 ; 28.32,91.82 28.18,91.68 ; 28.32,91.82 v1(28.32,92.33) ; 20.32,53.62 20.52,53.82 ; 104.52,34.67 v1(104.52,35.18) ; 39.37,91.72 39.57,91.92 ; 20.32,15.53 20.52,15.72 ; v1(9.27,92.33) 9.27,91.82 ; 9.27,91.82 9.13,91.68 ; 9.27,91.82 9.42,91.68 9.13,91.68 ; 115.57,34.58 115.77,34.77 ; 77.47,91.72 77.67,91.92 ; J4#21.2 36.96,15.4 22.86,15.4 22.34,15.93 v1(22.34,15.97) 21.77,15.97 21.72,16.03 20.57,16.03 J3#25.2 ; 134.62,53.62 134.82,53.82 ; 66.28,91.68 66.23,91.63 ; 66.28,91.68 66.57,91.68 66.42,91.82 ; 66.28,91.68 66.42,91.82 ; 142.62,72.77 142.77,72.63 142.48,72.63 ; 142.62,72.77 v1(142.62,73.28) ; 142.62,72.77 142.48,72.63 ; J4#34.2 36.96,34.45 22.86,34.45 22.34,34.98 v1(22.34,35.02) 21.77,35.02 21.72,35.08 20.57,35.08 J3#14.2 ; 142.48,91.68 142.43,91.63 ; 142.48,91.68 142.62,91.82 ; 142.48,91.68 142.77,91.68 142.62,91.82 ; 28.18,91.68 28.13,91.63 ; v1(85.47,73.28) 85.47,72.77 ; 85.47,72.77 85.33,72.63 ; 85.47,72.77 85.62,72.63 85.33,72.63 ; 123.43,72.63 123.72,72.63 123.57,72.77 ; 123.43,72.63 123.57,72.77 ; 123.43,72.63 123.38,72.58 ; 115.57,91.72 115.77,91.92 ; 85.33,72.63 85.28,72.58 ; 47.37,15.62 47.23,15.48 ; 47.37,15.62 47.52,15.48 47.23,15.48 ; 47.37,15.62 v1(47.37,16.13) ; 47.23,15.48 47.18,15.43 ; 28.32,53.72 28.47,53.58 28.18,53.58 ; 28.32,53.72 28.18,53.58 ; 28.32,53.72 v1(28.32,54.23) ; J4#18.2 113.16,53.5 99.06,53.5 98.54,54.03 v1(98.54,54.07) 97.97,54.07 97.92,54.13 96.77,54.13 J3#28.2 ; J4#12.2 94.11,15.4 80.01,15.4 79.49,15.93 v1(79.49,15.97) 78.92,15.97 78.87,16.03 77.72,16.03 J3#8.2 ; 104.52,15.62 104.67,15.48 104.38,15.48 ; 104.52,15.62 v1(104.52,16.13) ; 104.52,15.62 104.38,15.48 ; 85.47,15.62 v1(85.47,16.13) ; J3#20.2 134.87,73.18 136.02,73.18 136.07,73.12 v1(136.64,73.12) 136.64,73.08 137.16,72.55 151.26,72.55 J4#7.2 ; 85.47,53.72 85.33,53.58 ; 85.47,53.72 v1(85.47,54.23) ; 85.47,53.72 85.62,53.58 85.33,53.58 ; 85.33,53.58 85.28,53.53 ; 104.38,15.48 104.33,15.43 ; 85.47,91.82 85.62,91.68 85.33,91.68 ; 85.47,91.82 v1(85.47,92.33) ; 85.47,91.82 85.33,91.68 ; 123.57,72.77 v1(123.57,73.28) ; J3#24.2 115.82,35.08 116.97,35.08 117.02,35.02 v1(117.59,35.02) 117.59,34.98 118.11,34.45 132.21,34.45 J4#2.2 ; 66.42,72.77 66.28,72.63 ; 66.42,72.77 v1(66.42,73.28) ; 66.42,72.77 66.57,72.63 66.28,72.63 ; 66.28,72.63 66.23,72.58 ; 9.27,72.77 9.13,72.63 ; 9.27,72.77 v1(9.27,73.28) ; 9.27,72.77 9.42,72.63 9.13,72.63 ; 9.13,72.63 9.08,72.58 ; J4#5.2 75.06,72.55 60.96,72.55 60.44,73.08 v1(60.44,73.12) 59.87,73.12 59.82,73.18 58.67,73.18 J3#10.2 ; 104.52,72.77 104.67,72.63 104.38,72.63 ; 104.52,72.77 104.38,72.63 ; 104.52,72.77 v1(104.52,73.28) ; J3#4.2 115.82,54.13 116.97,54.13 117.02,54.07 v1(117.59,54.07) 117.59,54.03 118.11,53.5 132.21,53.5 J4#13.2 ; 28.18,34.53 28.13,34.48 ; J4#33.2 94.11,53.5 80.01,53.5 79.49,54.03 v1(79.49,54.07) 78.92,54.07 78.87,54.13 77.72,54.13 J3#40.2 ; 104.52,53.72 104.38,53.58 ; 104.52,53.72 104.67,53.58 104.38,53.58 ; 104.52,53.72 v1(104.52,54.23) ; 104.38,53.58 104.33,53.53 ; 134.62,34.58 134.82,34.77 ; J3#23.2 58.67,54.13 59.82,54.13 59.87,54.07 v1(60.44,54.07) 60.44,54.03 60.96,53.5 75.06,53.5 J4#26.2 ; J4#19.2 113.16,91.6 99.06,91.6 98.54,92.13 v1(98.54,92.17) 97.97,92.17 97.92,92.23 96.77,92.23 J3#36.2 ; J3#2.2 115.82,73.18 116.97,73.18 117.02,73.12 v1(117.59,73.12) 117.59,73.08 118.11,72.55 132.21,72.55 J4#10.2 ; 66.42,34.67 66.57,34.53 66.28,34.53 ; 66.42,34.67 66.28,34.53 ; 66.42,34.67 v1(66.42,35.18) ; 58.42,34.58 58.62,34.77 ; 66.42,15.62 66.57,15.48 66.28,15.48 ; 66.42,15.62 v1(66.42,16.13) ; 66.42,15.62 66.28,15.48 ; 123.43,15.48 123.38,15.43 ; 142.62,53.72 142.77,53.58 142.48,53.58 ; 142.62,53.72 v1(142.62,54.23) ; 142.62,53.72 142.48,53.58 ; J3#11.2 39.62,54.13 40.77,54.13 40.82,54.07 v1(41.39,54.07) 41.39,54.03 41.91,53.5 56.01,53.5 J4#3.2 ; 66.28,34.53 66.23,34.48 ; J4#31.2 151.26,91.6 137.16,91.6 136.64,92.13 v1(136.64,92.17) 136.07,92.17 136.02,92.23 134.87,92.23 J3#26.2 ; J4#32.2 151.26,53.5 137.16,53.5 136.64,54.03 v1(136.64,54.07) 136.07,54.07 136.02,54.13 134.87,54.13 J3#35.2 ; 142.48,72.63 142.43,72.58 ; 9.13,91.68 9.08,91.63 ; 104.38,72.63 104.33,72.58 ; J3#3.2 20.57,54.13 21.72,54.13 21.77,54.07 v1(22.34,54.07) 22.34,54.03 22.86,53.5 36.96,53.5 J4#27.2 ; 142.48,53.58 142.43,53.53 ; J3#17.2 1.52,73.18 2.67,73.18 2.72,73.12 v1(3.29,73.12) 3.29,73.08 3.81,72.55 17.91,72.55 J4#36.2 ; 47.23,34.53 47.18,34.48 ; 47.23,34.53 47.52,34.53 47.37,34.67 ; 47.23,34.53 47.37,34.67 ; 142.62,15.62 142.77,15.48 142.48,15.48 ; 142.62,15.62 142.48,15.48 ; 142.62,15.62 v1(142.62,16.13) ; 142.62,91.82 v1(142.62,92.33) ; 9.13,34.53 9.08,34.48 ; 9.13,34.53 9.27,34.67 ; 9.13,34.53 9.42,34.53 9.27,34.67 ; J4#9.2 17.91,15.4 3.81,15.4 3.29,15.93 v1(3.29,15.97) 2.72,15.97 2.67,16.03 1.52,16.03 J3#15.2 ; 9.13,53.58 9.42,53.58 9.27,53.72 ; 9.13,53.58 9.27,53.72 ; 9.13,53.58 9.08,53.53 ; 1.27,53.62 1.47,53.82 ; 58.42,15.53 58.62,15.72 ; v1(47.37,73.28) 47.37,72.77 ; 47.37,72.77 47.52,72.63 47.23,72.63 ; 47.37,72.77 47.23,72.63 ; 28.32,72.77 v1(28.32,73.28) ; 96.52,34.58 96.72,34.77 ; 142.48,15.48 142.43,15.43 ; 58.42,72.67 58.62,72.87 ; J3#9.2 1.52,54.13 2.67,54.13 2.72,54.07 v1(3.29,54.07) 3.29,54.03 3.81,53.5 17.91,53.5 J4#11.2 ; J4#14.2 75.06,15.4 60.96,15.4 60.44,15.93 v1(60.44,15.97) 59.87,15.97 59.82,16.03 58.67,16.03 J3#27.2 ; J4#8.2 113.16,72.55 99.06,72.55 98.54,73.08 v1(98.54,73.12) 97.97,73.12 97.92,73.18 96.77,73.18 J3#37.2 ; 115.57,15.53 115.77,15.72 ; 9.27,34.67 v1(9.27,35.18) ; 28.18,53.58 28.13,53.53 ; 85.33,34.53 85.28,34.48 ; J3.2 1.52,92.23 2.67,92.23 2.72,92.17 v1(3.29,92.17) 3.29,92.13 3.81,91.6 17.91,91.6 J4.2 ; J4#39.2 151.26,15.4 137.16,15.4 136.64,15.93 v1(136.64,15.97) 136.07,15.97 136.02,16.03 134.87,16.03 J3#33.2 ; 47.23,91.68 47.18,91.63 ; 47.23,91.68 47.37,91.82 ; 47.23,91.68 47.52,91.68 47.37,91.82 ; 1.27,91.72 1.47,91.92 ; 9.27,53.72 v1(9.27,54.23) ; 20.32,34.58 20.52,34.77 ; J4#22.2 56.01,72.55 41.91,72.55 41.39,73.08 v1(41.39,73.12) 40.82,73.12 40.77,73.18 39.62,73.18 J3#31.2 ; J4#16.2 36.96,72.55 22.86,72.55 22.34,73.08 v1(22.34,73.12) 21.77,73.12 21.72,73.18 20.57,73.18 J3#16.2 ; 142.62,34.67 142.77,34.53 142.48,34.53 ; 142.62,34.67 v1(142.62,35.18) ; 142.62,34.67 142.48,34.53 ; 134.62,72.67 134.82,72.87 ; J3#30.2 39.62,35.08 40.77,35.08 40.82,35.02 v1(41.39,35.02) 41.39,34.98 41.91,34.45 56.01,34.45 J4#38.2 ; 39.37,72.67 39.57,72.87 ; 66.28,53.58 66.57,53.58 66.42,53.72 ; 66.28,53.58 66.42,53.72 ; 66.28,53.58 66.23,53.53 ; 58.42,53.62 58.62,53.82 ; 47.37,91.82 v1(47.37,92.33) ; J4#17.2 94.11,91.6 80.01,91.6 79.49,92.13 v1(79.49,92.17) 78.92,92.17 78.87,92.23 77.72,92.23 J3#18.2 ; 77.47,34.58 77.67,34.77 ; 115.57,72.67 115.77,72.87 ; 77.47,15.53 77.67,15.72 ; J3#39.2 58.67,35.08 59.82,35.08 59.87,35.02 v1(60.44,35.02) 60.44,34.98 60.96,34.45 75.06,34.45 J4#29.2 ; J4#40.2 36.96,91.6 22.86,91.6 22.34,92.13 v1(22.34,92.17) 21.77,92.17 21.72,92.23 20.57,92.23 J3#19.2 ; v1(47.37,35.18) 47.37,34.67 ; 123.57,53.72 v1(123.57,54.23) ; 77.47,53.62 77.67,53.82 ; 96.52,91.72 96.72,91.92 ; J3#21.2 96.77,35.08 97.92,35.08 97.97,35.02 v1(98.54,35.02) 98.54,34.98 99.06,34.45 113.16,34.45 J4#4.2 ; 142.48,34.53 142.43,34.48 ; 66.42,53.72 v1(66.42,54.23) ; J3#32.2 115.82,92.23 116.97,92.23 117.02,92.17 v1(117.59,92.17) 117.59,92.13 118.11,91.6 132.21,91.6 J4#24.2 ; 1.27,34.58 1.47,34.77 ; 77.47,72.67 77.67,72.87 ; 1.27,15.53 1.47,15.72 ; J4#15.2 75.06,91.6 60.96,91.6 60.44,92.13 v1(60.44,92.17) 59.87,92.17 59.82,92.23 58.67,92.23 J3#22.2 ; J4#35.2 17.91,34.45 3.81,34.45 3.29,34.98 v1(3.29,35.02) 2.72,35.02 2.67,35.08 1.52,35.08 J3#29.2 ; J4#25.2 94.11,34.45 80.01,34.45 79.49,34.98 v1(79.49,35.02) 78.92,35.02 78.87,35.08 77.72,35.08 J3#7.2 ; 115.57,53.62 115.77,53.82 ; v1(66.42,92.33) 66.42,91.82 ; 85.33,91.68 85.28,91.63 ; 96.52,72.67 96.72,72.87 ; J3#5.2 39.62,16.03 40.77,16.03 40.82,15.97 v1(41.39,15.97) 41.39,15.93 41.91,15.4 56.01,15.4 J4#37.2 ; v1(47.37,54.23) 47.37,53.72 ; 9.27,15.62 v1(9.27,16.13) ; 47.23,72.63 47.18,72.58 ; 66.28,15.48 66.23,15.43 ; 96.52,15.53 96.72,15.72 ; 39.37,53.62 39.57,53.82 ; J4#28.2 56.01,91.6 41.91,91.6 41.39,92.13 v1(41.39,92.17) 40.82,92.17 40.77,92.23 39.62,92.23 J3#38.2 ; 20.32,91.72 20.52,91.92 ; 20.32,72.67 20.52,72.87 ; 39.37,34.58 39.57,34.77 ; 134.62,15.53 134.82,15.72 ; 134.62,91.72 134.82,91.92 ; 58.42,91.72 58.62,91.92